# KiCad board Prak's keyboard.kicad_pcb
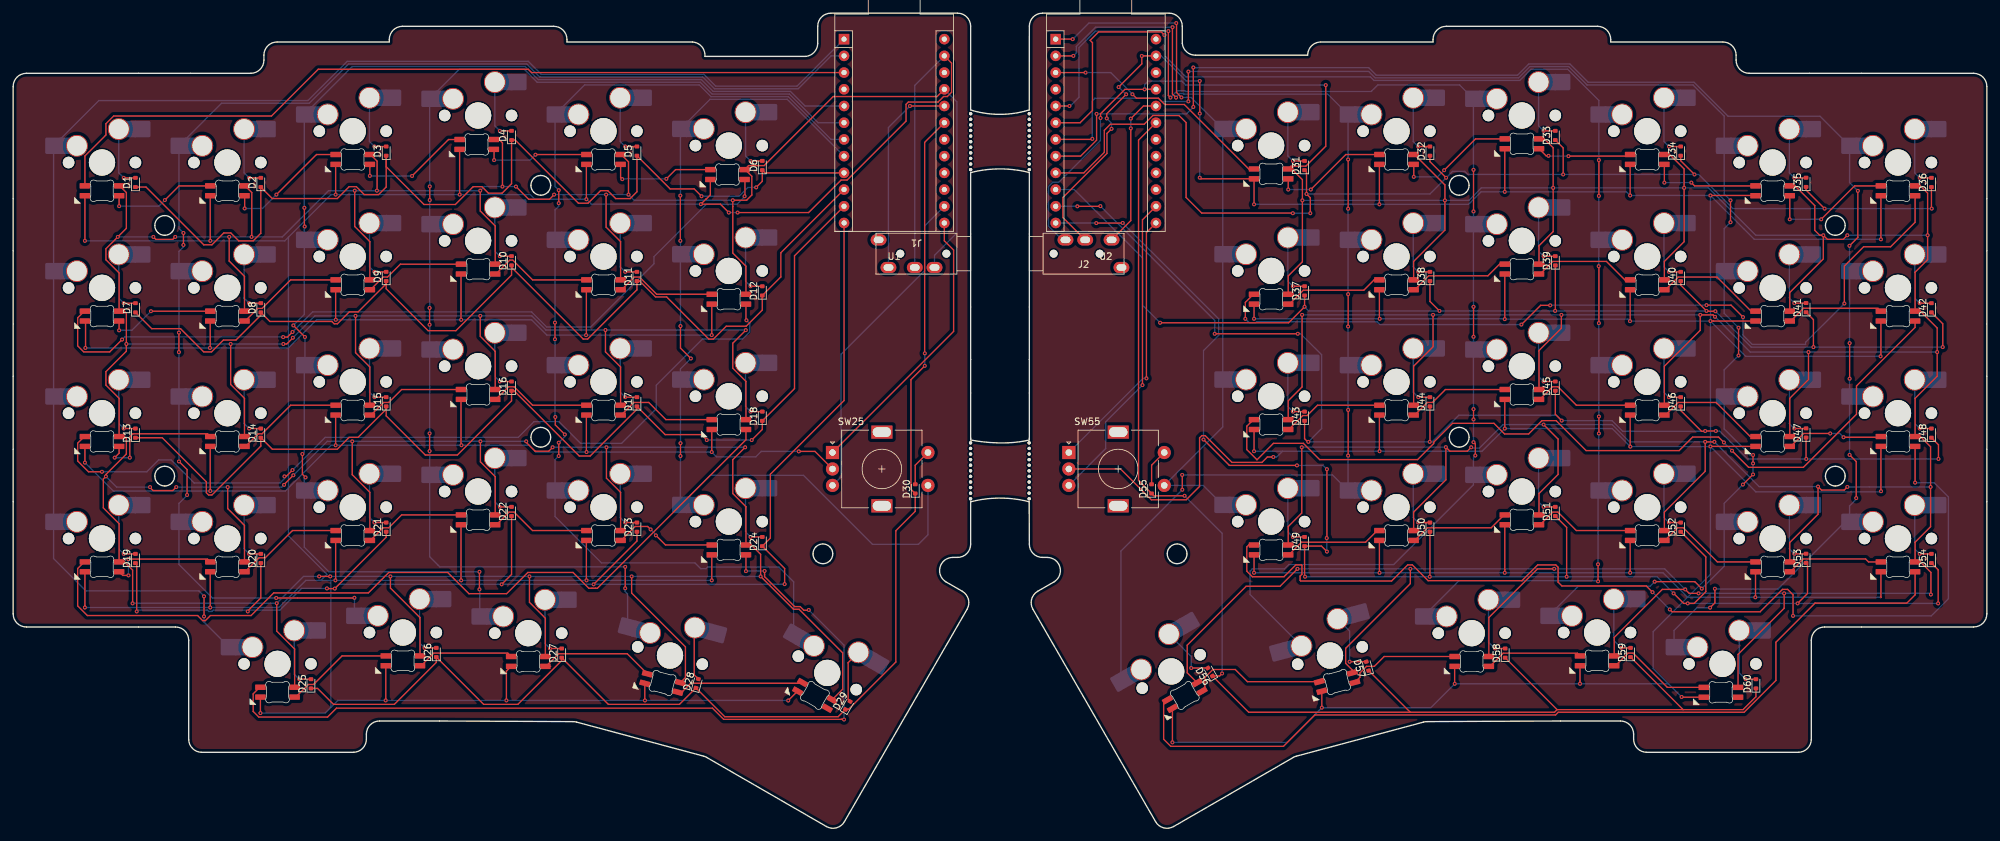
[diagram p0: board, top side]
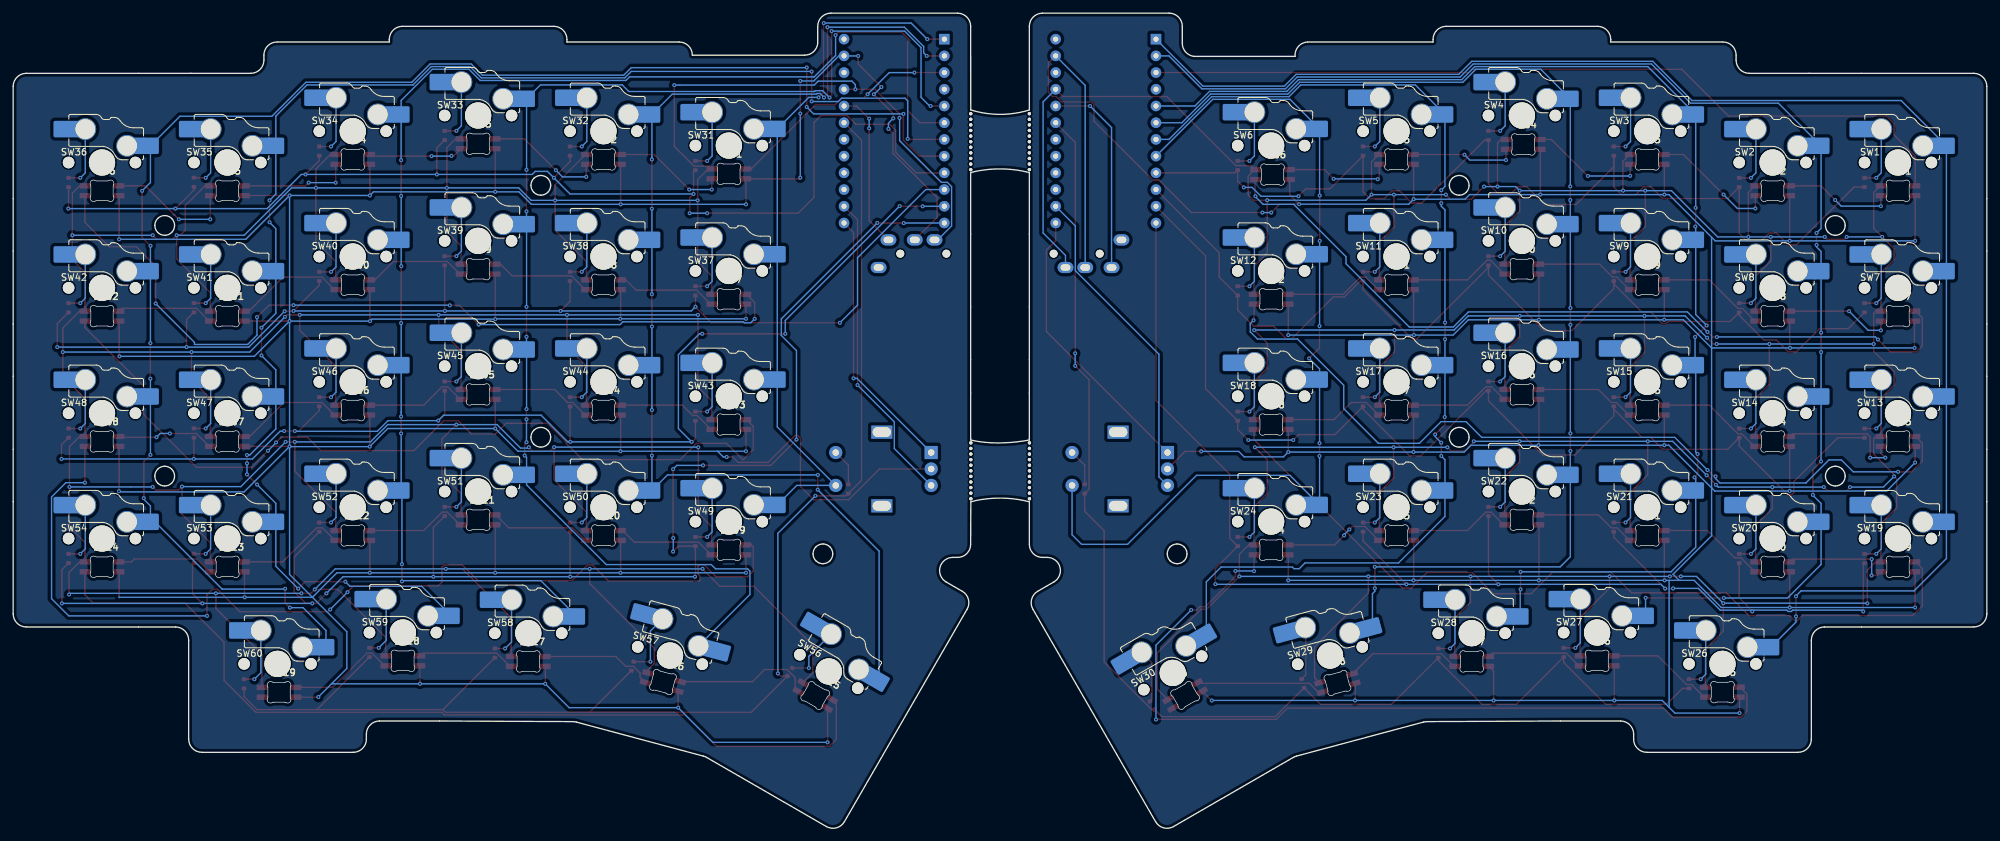
[diagram p1: board, bottom side, seen from below]

Outline 299.9 x 123.89 mm; copper layers: Top, Bottom. Coordinates in mm from the lower left corner of the outline.
Outline path: 145.49,109.18 145.49,121.89 arc(144.91,123.3) 143.49,123.89 124.25,123.89 arc(122.84,123.3) 122.25,121.89 122.25,119.31 arc(121.73,117.96) 120.44,117.32 105.11,117.32 arc(104.63,118.82) 103.2,119.51 84.15,119.51 84.15,119.89 arc(83.56,121.3) 82.15,121.89 59.15,121.89 arc(57.74,121.3) 57.15,119.89 57.15,119.51 40.1,119.51 arc(38.69,118.92) 38.1,117.51 38.1,116.75 arc(37.51,115.33) 36.1,114.75 2,114.75 arc(0.59,114.16) 0,112.75 0,32.6 arc(0.59,31.18) 2,30.6 24.67,30.6 arc(26.08,30.01) 26.67,28.6 26.67,13.53 arc(27.26,12.13) 28.67,11.55 51.67,11.55 arc(53.08,12.13) 53.67,13.55 53.67,14.31 arc(54.26,15.72) 55.67,16.31 64.77,16.31 85.07,16.21 arc(85.33,16.2) 85.59,16.15 104.9,10.97 arc(105.14,10.89) 105.38,10.77 123.57,0.27 arc(125.09,0.07) 126.3,1 144.95,33.29 arc(145.15,34.81) 144.22,36.02 141.77,37.44 arc(140.84,39.69) 142.77,41.17 143.49,41.17 arc(144.91,41.75) 145.49,43.17 145.49,49.62 ; 145.49,99.66 145.49,59.02 ; 154.39,109.18 154.41,121.89 arc(154.99,123.3) 156.41,123.89 175.65,123.89 arc(177.06,123.3) 177.65,121.89 177.65,119.31 arc(178.3,118.02) 179.65,117.5 196.7,117.5 ; 154.41,99.66 154.41,59.02 ; 154.41,43.16 154.38,49.62 ; 154.41,43.17 arc(154.99,41.75) 156.41,41.17 157.13,41.17 arc(159.06,39.69) 158.13,37.44 155.68,36.02 arc(154.75,34.81) 154.95,33.29 173.6,1 arc(174.81,0.07) 176.33,0.27 194.52,10.77 arc(194.76,10.89) 195.01,10.97 214.31,16.15 arc(214.57,16.2) 214.83,16.21 235.13,16.31 244.23,16.31 arc(245.65,15.72) 246.23,14.29 246.23,13.53 arc(246.82,12.13) 248.23,11.55 271.23,11.55 arc(272.64,12.13) 273.23,13.55 273.23,28.6 arc(273.82,30.01) 275.23,30.6 297.9,30.6 arc(299.31,31.18) 299.9,32.6 299.9,112.76 arc(299.31,114.17) 297.9,114.75 263.8,114.75 arc(262.38,115.34) 261.8,116.76 261.8,117.52 arc(261.21,118.93) 259.8,119.51 242.75,119.51 242.75,119.89 arc(242.16,121.3) 240.75,121.89 217.75,121.89 arc(216.34,121.3) 215.75,119.89 215.75,119.51 198.7,119.51 arc(197.29,118.92) 196.7,117.51 ; 21.53,91.63 arc(21.64,92.2) 21.96,92.69 arc(22.45,93.01) 23.03,93.13 arc(23.6,93.01) 24.09,92.69 arc(24.41,92.2) 24.53,91.63 arc(24.41,91.05) 24.09,90.57 arc(23.6,90.24) 23.03,90.13 arc(22.45,90.24) 21.96,90.57 arc(21.64,91.05) 21.53,91.63 ; 21.53,53.53 arc(21.64,54.1) 21.96,54.59 arc(22.45,54.91) 23.03,55.03 arc(23.6,54.91) 24.09,54.59 arc(24.41,54.1) 24.53,53.53 arc(24.41,52.95) 24.09,52.47 arc(23.6,52.14) 23.03,52.03 arc(22.45,52.14) 21.96,52.47 arc(21.64,52.95) 21.53,53.53 ; 78.68,97.72 arc(78.79,98.3) 79.11,98.78 arc(79.6,99.11) 80.18,99.22 arc(80.75,99.11) 81.24,98.78 arc(81.56,98.3) 81.68,97.72 arc(81.56,97.15) 81.24,96.66 arc(80.75,96.34) 80.18,96.22 arc(79.6,96.34) 79.11,96.66 arc(78.79,97.15) 78.68,97.72 ; 78.68,59.43 arc(78.79,60.01) 79.11,60.49 arc(79.6,60.82) 80.18,60.93 arc(80.75,60.82) 81.24,60.49 arc(81.56,60.01) 81.68,59.43 arc(81.56,58.86) 81.24,58.37 arc(80.75,58.05) 80.18,57.93 arc(79.6,58.05) 79.11,58.37 arc(78.79,58.86) 78.68,59.43 ; 121.54,41.72 arc(121.65,42.29) 121.98,42.78 arc(122.46,43.1) 123.04,43.22 arc(123.61,43.1) 124.1,42.78 arc(124.42,42.29) 124.54,41.72 arc(124.42,41.14) 124.1,40.65 arc(123.61,40.33) 123.04,40.22 arc(122.46,40.33) 121.98,40.65 arc(121.65,41.14) 121.54,41.72 ; 175.36,41.72 arc(175.48,42.29) 175.8,42.78 arc(176.29,43.1) 176.86,43.22 arc(177.44,43.1) 177.92,42.78 arc(178.25,42.29) 178.36,41.72 arc(178.25,41.14) 177.92,40.65 arc(177.44,40.33) 176.86,40.22 arc(176.29,40.33) 175.8,40.65 arc(175.48,41.14) 175.36,41.72 ; 218.23,97.72 arc(218.34,98.3) 218.66,98.78 arc(219.15,99.11) 219.73,99.22 arc(220.3,99.11) 220.79,98.78 arc(221.11,98.3) 221.23,97.72 arc(221.11,97.15) 220.79,96.66 arc(220.3,96.34) 219.73,96.22 arc(219.15,96.34) 218.66,96.66 arc(218.34,97.15) 218.23,97.72 ; 218.23,59.43 arc(218.34,60.01) 218.66,60.49 arc(219.15,60.82) 219.73,60.93 arc(220.3,60.82) 220.79,60.49 arc(221.11,60.01) 221.23,59.43 arc(221.11,58.86) 220.79,58.37 arc(220.3,58.05) 219.73,57.93 arc(219.15,58.05) 218.66,58.37 arc(218.34,58.86) 218.23,59.43 ; 275.38,91.63 arc(275.49,92.2) 275.81,92.69 arc(276.3,93.01) 276.88,93.13 arc(277.45,93.01) 277.94,92.69 arc(278.26,92.2) 278.38,91.63 arc(278.26,91.05) 277.94,90.57 arc(277.45,90.24) 276.88,90.13 arc(276.3,90.24) 275.81,90.57 arc(275.49,91.05) 275.38,91.63 ; 275.38,53.53 arc(275.49,54.1) 275.81,54.59 arc(276.3,54.91) 276.88,55.03 arc(277.45,54.91) 277.94,54.59 arc(278.26,54.1) 278.38,53.53 arc(278.26,52.95) 277.94,52.47 arc(277.45,52.14) 276.88,52.03 arc(276.3,52.14) 275.81,52.47 arc(275.49,52.95) 275.38,53.53

## Placement (name value [footprint] x y rotation side)
D1  1N4148WT  [D_SOD-523]  18.58 98.16 90 top
D2  1N4148WT  [D_SOD-523]  37.63 98.16 90 top
D3  1N4148WT  [D_SOD-523]  56.68 102.92 90 top
D4  1N4148WT  [D_SOD-523]  75.73 105.31 90 top
D5  1N4148WT  [D_SOD-523]  94.78 102.92 90 top
D6  1N4148WT  [D_SOD-523]  113.83 100.73 90 top
D7  1N4148WT  [D_SOD-523]  18.58 79.11 90 top
D8  1N4148WT  [D_SOD-523]  37.63 79.11 90 top
D9  1N4148WT  [D_SOD-523]  56.68 83.87 90 top
D10  1N4148WT  [D_SOD-523]  75.73 86.26 90 top
D11  1N4148WT  [D_SOD-523]  94.78 83.87 90 top
D12  1N4148WT  [D_SOD-523]  113.83 81.68 90 top
D13  1N4148WT  [D_SOD-523]  18.58 60.06 90 top
D14  1N4148WT  [D_SOD-523]  37.63 60.06 90 top
D15  1N4148WT  [D_SOD-523]  56.68 64.82 90 top
D16  1N4148WT  [D_SOD-523]  75.73 67.21 90 top
D17  1N4148WT  [D_SOD-523]  94.78 64.82 90 top
D18  1N4148WT  [D_SOD-523]  113.83 62.63 90 top
D19  1N4148WT  [D_SOD-523]  18.58 41.01 90 top
D20  1N4148WT  [D_SOD-523]  37.63 41.01 90 top
D21  1N4148WT  [D_SOD-523]  56.68 45.77 90 top
D22  1N4148WT  [D_SOD-523]  75.73 48.16 90 top
D23  1N4148WT  [D_SOD-523]  94.78 45.77 90 top
D24  1N4148WT  [D_SOD-523]  113.83 43.58 90 top
D25  1N4148WT  [D_SOD-523]  45.25 21.96 90 top
D26  1N4148WT  [D_SOD-523]  64.3 26.72 90 top
D27  1N4148WT  [D_SOD-523]  83.35 26.63 90 top
D28  1N4148WT  [D_SOD-523]  103.93 22.02 75 top
D29  1N4148WT  [D_SOD-523]  126.82 18.68 60 top
D30  1N4148WT  [D_SOD-523]  137.07 51.58 90 top
D31  1N4148WT  [D_SOD-523]  196.23 100.73 90 top
D32  1N4148WT  [D_SOD-523]  215.28 102.92 90 top
D33  1N4148WT  [D_SOD-523]  234.33 105.31 90 top
D34  1N4148WT  [D_SOD-523]  253.38 102.92 90 top
D35  1N4148WT  [D_SOD-523]  272.43 98.19 90 top
D36  1N4148WT  [D_SOD-523]  291.48 98.16 90 top
D37  1N4148WT  [D_SOD-523]  196.23 81.68 90 top
D38  1N4148WT  [D_SOD-523]  215.28 83.87 90 top
D39  1N4148WT  [D_SOD-523]  234.33 86.26 90 top
D40  1N4148WT  [D_SOD-523]  253.38 83.87 90 top
D41  1N4148WT  [D_SOD-523]  272.43 79.14 90 top
D42  1N4148WT  [D_SOD-523]  291.48 79.11 90 top
D43  1N4148WT  [D_SOD-523]  196.23 62.63 90 top
D44  1N4148WT  [D_SOD-523]  215.28 64.82 90 top
D45  1N4148WT  [D_SOD-523]  234.33 67.21 90 top
D46  1N4148WT  [D_SOD-523]  253.38 64.82 90 top
D47  1N4148WT  [D_SOD-523]  272.43 60.09 90 top
D48  1N4148WT  [D_SOD-523]  291.48 60.06 90 top
D49  1N4148WT  [D_SOD-523]  196.23 43.58 90 top
D50  1N4148WT  [D_SOD-523]  215.28 45.77 90 top
D51  1N4148WT  [D_SOD-523]  234.33 48.16 90 top
D52  1N4148WT  [D_SOD-523]  253.38 45.77 90 top
D53  1N4148WT  [D_SOD-523]  272.43 41.04 90 top
D54  1N4148WT  [D_SOD-523]  291.48 41.01 90 top
D55  1N4148WT  [D_SOD-523]  172.99 51.58 90 top
D56  1N4148WT  [D_SOD-523]  181.88 23.76 120 top
D57  1N4148WT  [D_SOD-523]  205.78 24.65 105 top
D58  1N4148WT  [D_SOD-523]  226.71 26.63 90 top
D59  1N4148WT  [D_SOD-523]  245.76 26.72 90 top
D60  1N4148WT  [D_SOD-523]  264.81 21.96 90 top
D61  SK6812MINI-E  [SK6812MINI-E_fixed]  13.5 96.79 180 bottom
D62  SK6812MINI-E  [SK6812MINI-E_fixed]  32.55 96.79 180 bottom
D63  SK6812MINI-E  [SK6812MINI-E_fixed]  51.6 101.55 180 bottom
D64  SK6812MINI-E  [SK6812MINI-E_fixed]  70.44 103.83 180 bottom
D65  SK6812MINI-E  [SK6812MINI-E_fixed]  89.7 101.55 180 bottom
D66  SK6812MINI-E  [SK6812MINI-E_fixed]  108.54 99.26 180 bottom
D67  SK6812MINI-E  [SK6812MINI-E_fixed]  13.5 77.74 180 bottom
D68  SK6812MINI-E  [SK6812MINI-E_fixed]  32.55 77.74 180 bottom
D69  SK6812MINI-E  [SK6812MINI-E_fixed]  51.6 82.5 180 bottom
D70  SK6812MINI-E  [SK6812MINI-E_fixed]  70.65 84.89 180 bottom
D71  SK6812MINI-E  [SK6812MINI-E_fixed]  89.7 82.5 180 bottom
D72  SK6812MINI-E  [SK6812MINI-E_fixed]  108.75 80.31 180 bottom
D73  SK6812MINI-E  [SK6812MINI-E_fixed]  13.5 58.69 180 bottom
D74  SK6812MINI-E  [SK6812MINI-E_fixed]  32.55 58.69 180 bottom
D75  SK6812MINI-E  [SK6812MINI-E_fixed]  51.6 63.45 180 bottom
D76  SK6812MINI-E  [SK6812MINI-E_fixed]  70.65 65.84 180 bottom
D77  SK6812MINI-E  [SK6812MINI-E_fixed]  89.7 63.45 180 bottom
D78  SK6812MINI-E  [SK6812MINI-E_fixed]  108.75 61.26 180 bottom
D79  SK6812MINI-E  [SK6812MINI-E_fixed]  13.5 39.64 180 bottom
D80  SK6812MINI-E  [SK6812MINI-E_fixed]  32.55 39.64 180 bottom
D81  SK6812MINI-E  [SK6812MINI-E_fixed]  51.6 44.4 180 bottom
D82  SK6812MINI-E  [SK6812MINI-E_fixed]  70.65 46.79 180 bottom
D83  SK6812MINI-E  [SK6812MINI-E_fixed]  89.7 44.4 180 bottom
D84  SK6812MINI-E  [SK6812MINI-E_fixed]  108.75 42.21 180 bottom
D85  SK6812MINI-E  [SK6812MINI-E_fixed]  40.17 20.59 180 bottom
D86  SK6812MINI-E  [SK6812MINI-E_fixed]  59.22 25.35 180 bottom
D87  SK6812MINI-E  [SK6812MINI-E_fixed]  78.27 25.26 180 bottom
D88  SK6812MINI-E  [SK6812MINI-E_fixed]  98.65 21.99 165 bottom
D89  SK6812MINI-E  [SK6812MINI-E_fixed]  121.78 20.11 150 bottom
D91  SK6812MINI-E  [SK6812MINI-E_fixed]  191.15 99.36 180 bottom
D92  SK6812MINI-E  [SK6812MINI-E_fixed]  210.2 101.55 180 bottom
D93  SK6812MINI-E  [SK6812MINI-E_fixed]  229.25 103.94 180 bottom
D94  SK6812MINI-E  [SK6812MINI-E_fixed]  248.3 101.55 180 bottom
D95  SK6812MINI-E  [SK6812MINI-E_fixed]  267.35 96.79 180 bottom
D96  SK6812MINI-E  [SK6812MINI-E_fixed]  286.4 96.79 180 bottom
D97  SK6812MINI-E  [SK6812MINI-E_fixed]  191.15 80.31 180 bottom
D98  SK6812MINI-E  [SK6812MINI-E_fixed]  210.2 82.5 180 bottom
D99  SK6812MINI-E  [SK6812MINI-E_fixed]  229.25 84.89 180 bottom
D100  SK6812MINI-E  [SK6812MINI-E_fixed]  248.3 82.5 180 bottom
D101  SK6812MINI-E  [SK6812MINI-E_fixed]  267.35 77.74 180 bottom
D102  SK6812MINI-E  [SK6812MINI-E_fixed]  286.4 77.74 180 bottom
D103  SK6812MINI-E  [SK6812MINI-E_fixed]  191.15 61.26 180 bottom
D104  SK6812MINI-E  [SK6812MINI-E_fixed]  210.2 63.45 180 bottom
D105  SK6812MINI-E  [SK6812MINI-E_fixed]  229.25 65.84 180 bottom
D106  SK6812MINI-E  [SK6812MINI-E_fixed]  248.3 63.45 180 bottom
D107  SK6812MINI-E  [SK6812MINI-E_fixed]  267.35 58.69 180 bottom
D108  SK6812MINI-E  [SK6812MINI-E_fixed]  286.4 58.69 180 bottom
D109  SK6812MINI-E  [SK6812MINI-E_fixed]  191.15 42.21 180 bottom
D110  SK6812MINI-E  [SK6812MINI-E_fixed]  210.2 44.4 180 bottom
D111  SK6812MINI-E  [SK6812MINI-E_fixed]  229.25 46.79 180 bottom
D112  SK6812MINI-E  [SK6812MINI-E_fixed]  248.3 44.4 180 bottom
D113  SK6812MINI-E  [SK6812MINI-E_fixed]  267.35 39.64 180 bottom
D114  SK6812MINI-E  [SK6812MINI-E_fixed]  286.4 39.64 180 bottom
D115  SK6812MINI-E  [SK6812MINI-E_fixed]  178.08 20.1 210 bottom
D116  SK6812MINI-E  [SK6812MINI-E_fixed]  201.19 22.13 195 bottom
D117  SK6812MINI-E  [SK6812MINI-E_fixed]  221.63 25.26 180 bottom
D118  SK6812MINI-E  [SK6812MINI-E_fixed]  240.68 25.35 180 bottom
D119  SK6812MINI-E  [SK6812MINI-E_fixed]  259.5 20.57 180 bottom
J1  AudioPlug4  [CON_MJ-4PP-9]  137.25 87.34 180 top
J2  AudioPlug4  [CON_MJ-4PP-9]  162.65 87.34 0 top
REF**  -  [BreakLine_11h_D0.5mm_P0.85mm]  145.48 54.34 90 top  (not fitted)
REF**#2  -  [BreakLine_11h_D0.5mm_P0.85mm]  154.38 54.34 90 top  (not fitted)
REF**#3  -  [BreakLine_11h_D0.5mm_P0.85mm]  154.4 104.36 90 top  (not fitted)
REF**#4  -  [BreakLine_11h_D0.5mm_P0.85mm]  145.49 104.36 90 top  (not fitted)
SW1  SW_Push_45deg  [SW_MX_HS_KS-2P02B01-01_1u]  13.5 101.19 180 bottom
SW2  SW_Push_45deg  [SW_MX_HS_KS-2P02B01-01_1u]  32.55 101.19 180 bottom
SW3  SW_Push_45deg  [SW_MX_HS_KS-2P02B01-01_1u]  51.6 105.95 180 bottom
SW4  SW_Push_45deg  [SW_MX_HS_KS-2P02B01-01_1u]  70.65 108.34 180 bottom
SW5  SW_Push_45deg  [SW_MX_HS_KS-2P02B01-01_1u]  89.7 105.95 180 bottom
SW6  SW_Push_45deg  [SW_MX_HS_KS-2P02B01-01_1u]  108.75 103.76 180 bottom
SW7  SW_Push_45deg  [SW_MX_HS_KS-2P02B01-01_1u]  13.5 82.14 180 bottom
SW8  SW_Push_45deg  [SW_MX_HS_KS-2P02B01-01_1u]  32.55 82.14 180 bottom
SW9  SW_Push_45deg  [SW_MX_HS_KS-2P02B01-01_1u]  51.6 86.9 180 bottom
SW10  SW_Push_45deg  [SW_MX_HS_KS-2P02B01-01_1u]  70.65 89.29 180 bottom
SW11  SW_Push_45deg  [SW_MX_HS_KS-2P02B01-01_1u]  89.7 86.9 180 bottom
SW12  SW_Push_45deg  [SW_MX_HS_KS-2P02B01-01_1u]  108.75 84.71 180 bottom
SW13  SW_Push_45deg  [SW_MX_HS_KS-2P02B01-01_1u]  13.5 63.09 180 bottom
SW14  SW_Push_45deg  [SW_MX_HS_KS-2P02B01-01_1u]  32.55 63.09 180 bottom
SW15  SW_Push_45deg  [SW_MX_HS_KS-2P02B01-01_1u]  51.6 67.85 180 bottom
SW16  SW_Push_45deg  [SW_MX_HS_KS-2P02B01-01_1u]  70.65 70.24 180 bottom
SW17  SW_Push_45deg  [SW_MX_HS_KS-2P02B01-01_1u]  89.7 67.85 180 bottom
SW18  SW_Push_45deg  [SW_MX_HS_KS-2P02B01-01_1u]  108.75 65.66 180 bottom
SW19  SW_Push_45deg  [SW_MX_HS_KS-2P02B01-01_1u]  13.5 44.04 180 bottom
SW20  SW_Push_45deg  [SW_MX_HS_KS-2P02B01-01_1u]  32.55 44.04 180 bottom
SW21  SW_Push_45deg  [SW_MX_HS_KS-2P02B01-01_1u]  51.6 48.8 180 bottom
SW22  SW_Push_45deg  [SW_MX_HS_KS-2P02B01-01_1u]  70.65 51.19 180 bottom
SW23  SW_Push_45deg  [SW_MX_HS_KS-2P02B01-01_1u]  89.7 48.8 180 bottom
SW24  SW_Push_45deg  [SW_MX_HS_KS-2P02B01-01_1u]  108.75 46.61 180 bottom
SW25  RotaryEncoder_Switch  [RotaryEncoder_Alps_EC11E-Switch_Vertical_H20mm]  124.5 57.11 0 top
SW26  SW_Push_45deg  [SW_MX_HS_KS-2P02B01-01_1u]  40.17 24.99 180 bottom
SW27  SW_Push_45deg  [SW_MX_HS_KS-2P02B01-01_1u]  59.22 29.75 180 bottom
SW28  SW_Push_45deg  [SW_MX_HS_KS-2P02B01-01_1u]  78.27 29.66 180 bottom
SW29  SW_Push_45deg  [SW_MX_HS_KS-2P02B01-01_1u]  99.81 26.26 165 bottom
SW30  SW_Push_45deg  [SW_MX_HS_KS-2P02B01-01_1u]  123.7 23.62 150 bottom
SW31  SW_Push_45deg  [SW_MX_HS_KS-2P02B01-01_1u]  191.15 103.76 180 bottom
SW32  SW_Push_45deg  [SW_MX_HS_KS-2P02B01-01_1u]  210.2 105.95 180 bottom
SW33  SW_Push_45deg  [SW_MX_HS_KS-2P02B01-01_1u]  229.25 108.34 180 bottom
SW34  SW_Push_45deg  [SW_MX_HS_KS-2P02B01-01_1u]  248.3 105.95 180 bottom
SW35  SW_Push_45deg  [SW_MX_HS_KS-2P02B01-01_1u]  267.35 101.19 180 bottom
SW36  SW_Push_45deg  [SW_MX_HS_KS-2P02B01-01_1u]  286.4 101.19 180 bottom
SW37  SW_Push_45deg  [SW_MX_HS_KS-2P02B01-01_1u]  191.15 84.71 180 bottom
SW38  SW_Push_45deg  [SW_MX_HS_KS-2P02B01-01_1u]  210.2 86.9 180 bottom
SW39  SW_Push_45deg  [SW_MX_HS_KS-2P02B01-01_1u]  229.25 89.29 180 bottom
SW40  SW_Push_45deg  [SW_MX_HS_KS-2P02B01-01_1u]  248.3 86.9 180 bottom
SW41  SW_Push_45deg  [SW_MX_HS_KS-2P02B01-01_1u]  267.35 82.14 180 bottom
SW42  SW_Push_45deg  [SW_MX_HS_KS-2P02B01-01_1u]  286.4 82.14 180 bottom
SW43  SW_Push_45deg  [SW_MX_HS_KS-2P02B01-01_1u]  191.15 65.66 180 bottom
SW44  SW_Push_45deg  [SW_MX_HS_KS-2P02B01-01_1u]  210.2 67.85 180 bottom
SW45  SW_Push_45deg  [SW_MX_HS_KS-2P02B01-01_1u]  229.25 70.24 180 bottom
SW46  SW_Push_45deg  [SW_MX_HS_KS-2P02B01-01_1u]  248.3 67.85 180 bottom
SW47  SW_Push_45deg  [SW_MX_HS_KS-2P02B01-01_1u]  267.35 63.09 180 bottom
SW48  SW_Push_45deg  [SW_MX_HS_KS-2P02B01-01_1u]  286.4 63.09 180 bottom
SW49  SW_Push_45deg  [SW_MX_HS_KS-2P02B01-01_1u]  191.15 46.61 180 bottom
SW50  SW_Push_45deg  [SW_MX_HS_KS-2P02B01-01_1u]  210.2 48.8 180 bottom
SW51  SW_Push_45deg  [SW_MX_HS_KS-2P02B01-01_1u]  229.25 51.19 180 bottom
SW52  SW_Push_45deg  [SW_MX_HS_KS-2P02B01-01_1u]  248.3 48.8 180 bottom
SW53  SW_Push_45deg  [SW_MX_HS_KS-2P02B01-01_1u]  267.35 44.04 180 bottom
SW54  SW_Push_45deg  [SW_MX_HS_KS-2P02B01-01_1u]  286.4 44.04 180 bottom
SW55  RotaryEncoder_Switch  [RotaryEncoder_Alps_EC11E-Switch_Vertical_H20mm]  160.41 57.11 0 top
SW56  SW_Push_45deg  [SW_MX_HS_KS-2P02B01-01_1u]  175.96 23.84 210 bottom
SW57  SW_Push_45deg  [SW_MX_HS_KS-2P02B01-01_1u]  200.09 26.26 195 bottom
SW58  SW_Push_45deg  [SW_MX_HS_KS-2P02B01-01_1u]  221.63 29.66 180 bottom
SW59  SW_Push_45deg  [SW_MX_HS_KS-2P02B01-01_1u]  240.68 29.75 180 bottom
SW60  SW_Push_45deg  [SW_MX_HS_KS-2P02B01-01_1u]  259.73 24.99 180 bottom
U1  -  [Sparkfun_Pro_Micro]  141.49 92 180 top
U2  -  [Sparkfun_Pro_Micro]  173.65 92 180 top

## Library data of the parts
D1-D60 = -: Datasheet: https://www.diodes.com/assets/Datasheets/ds30396.pdf; Description: 75V 0.15A Fast switching Diode, SOD-523; Sim.Device: D; Sim.Pins: 1=K 2=A; ki_fp_filters: D*SOD?523*
D61-D89 D91-D119 = -: Datasheet: https://cdn-shop.adafruit.com/product-files/4960/4960_SK6812MINI-E_REV02_EN.pdf; Description: RGB LED with integrated controller; ki_fp_filters: LED*SK6812MINI*PLCC*3.5x3.5mm*P1.75mm*
J1 J2 = -: Description: Audio Jack, 4 Poles (Stereo / TRRS); ki_fp_filters: Plug*
SW1-SW24 SW26-SW54 SW56-SW60 = -: Description: Push button switch, normally open, two pins, 45° tilted
SW25 SW55 = -: Description: Rotary encoder, dual channel, incremental quadrate outputs, with switch; ki_fp_filters: RotaryEncoder*Switch*
U1 U2 = -: Datasheet: https://www.sparkfun.com/products/12640; Description: Sparkfun Pro Micro

## Footprints (pads in the part's own frame, mm; a bottom-side part is the same pattern mirrored in y, then rotated)
BreakLine_11h_D0.5mm_P0.85mm
  round 0.5 hole 0.5 unplated: (-4.25,0) (-3.4,0) (-2.55,0) (-1.7,0) (-0.85,0) (0,0) (0.85,0) (1.7,0) (2.55,0) (3.4,0) (4.25,0)
CON_MJ-4PP-9
  round 1.2 hole 1.2 unplated: (-4.55,0) (2.45,0)
  oval 2.4x1.7 hole 1.5x1: R1(4.25,2.1) R2(0.25,2.1) S(-2.75,2.1) T(5.75,-2.1)
D_SOD-523
  rrect 0.6x0.7 smd: 1(-0.7,0) 2(0.7,0)
RotaryEncoder_Alps_EC11E-Switch_Vertical_H20mm
  rect 2x2 hole 1: A(0,0)
  round 2 hole 1: B(0,-5) C(0,-2.5) S1(14.5,-5) S2(14.5,0)
  rect 3.2x2 hole 2.8x1.5: MP(7.5,3.1) MP(7.5,-8.1)
SK6812MINI-E_fixed
  rrect 1.6x0.82 smd far side: 1(-2.6,0.853) 2(-2.6,-0.647) 3(2.6,-0.647) 4(2.6,0.853)
Sparkfun_Pro_Micro
  rect 1.6x1.6 hole 0.8: 1(15.24,-27.94)
  oval 1.6x1.6 hole 0.8: 2(15.24,-25.4) 3(15.24,-22.86) 4(15.24,-20.32) 5(15.24,-17.78) 6(15.24,-15.24) 7(15.24,-12.7) 8(15.24,-10.16) 9(15.24,-7.62) 10(15.24,-5.08) 11(15.24,-2.54) 12(15.24,0) 13(0,0) 14(0,-2.54) 15(0,-5.08) 16(0,-7.62) 17(0,-10.16) 18(0,-12.7) 19(0,-15.24) 20(0,-17.78) 21(0,-20.32) 22(0,-22.86) 23(0,-25.4) 24(0,-27.94)
SW_MX_HS_KS-2P02B01-01_1u
  round 1.75 hole 1.75 unplated: (-5.08,0) (5.08,0)
  round 3.988 hole 3.988 unplated: (0,0)
  round 3.3 hole 3: 1(3.81,2.54) 2(-2.54,5.08)
  rect 1.65x2.5 smd: 1(5.635,2.54) 2(-4.34,5.08)
  rrect 2.55x2.5 smd: 1(7.36,2.54) 2(-6.09,5.08)

## Nets
CKI: U1.4
Column 0: SW1.1 SW7.1 SW13.1 SW19.1 SW26.1 SW31.1 SW37.1 SW43.1 SW49.1 SW55.S1 U1.1 U2.1
Column 1: SW2.1 SW8.1 SW14.1 SW20.1 SW27.1 SW32.1 SW38.1 SW44.1 SW50.1 SW56.1 U1.2 U2.2
Column 2: SW3.1 SW9.1 SW15.1 SW21.1 SW28.1 SW33.1 SW39.1 SW45.1 SW51.1 SW57.1 U1.5 U2.5
Column 3: SW4.1 SW10.1 SW16.1 SW22.1 SW29.1 SW34.1 SW40.1 SW46.1 SW52.1 SW58.1 U1.6 U2.6
Column 4: SW5.1 SW11.1 SW17.1 SW23.1 SW30.1 SW35.1 SW41.1 SW47.1 SW53.1 SW59.1 U1.7 U2.7
Column 5: SW6.1 SW12.1 SW18.1 SW24.1 SW25.S1 SW36.1 SW42.1 SW48.1 SW54.1 SW60.1 U1.8 U2.8
Encoder Channel A: SW25.A SW55.A U1.13 U2.13
Encoder Channel B: SW25.B SW55.B U1.14 U2.14
Encoder Common Ground: D61.3 D62.3 D63.3 D64.3 D65.3 D66.3 D67.3 D68.3 D69.3 D70.3 D71.3 D72.3 D73.3 D74.3 D75.3 D76.3 D77.3 D78.3 D79.3 D80.3 D81.3 D82.3 D83.3 D84.3 D85.3 D86.3 D87.3 D88.3 D89.3 D91.3 D92.3 D93.3 D94.3 D95.3 D96.3 D97.3 D98.3 D99.3 D100.3 D101.3 D102.3 D103.3 D104.3 D105.3 D106.3 D107.3 D108.3 D109.3 D110.3 D111.3 D112.3 D113.3 D114.3 D115.3 D116.3 D117.3 D118.3 D119.3 J1.R2 J2.R2 SW25.C SW55.C U1.23 U2.23
Row 0: D1.1 D2.1 D3.1 D4.1 D5.1 D6.1 D31.1 D32.1 D33.1 D34.1 D35.1 D36.1 U1.9 U2.9
Row 1: D7.1 D8.1 D9.1 D10.1 D11.1 D12.1 D37.1 D38.1 D39.1 D40.1 D41.1 D42.1 U1.10 U2.10
Row 2: D13.1 D14.1 D15.1 D16.1 D17.1 D18.1 D43.1 D44.1 D45.1 D46.1 D47.1 D48.1 U1.11 U2.11
Row 3: D19.1 D20.1 D21.1 D22.1 D23.1 D24.1 D49.1 D50.1 D51.1 D52.1 D53.1 D54.1 U1.12 U2.12
Row 4: D25.1 D26.1 D27.1 D28.1 D29.1 D30.1 D55.1 D56.1 D57.1 D58.1 D59.1 D60.1 U1.19 U2.19
SDI: D61.4 D91.4 U1.3 U2.3
TRRS Power: D61.1 D62.1 D63.1 D64.1 D65.1 D66.1 D67.1 D68.1 D69.1 D70.1 D71.1 D72.1 D73.1 D74.1 D75.1 D76.1 D77.1 D78.1 D79.1 D80.1 D81.1 D82.1 D83.1 D84.1 D85.1 D86.1 D87.1 D88.1 D89.1 D91.1 D92.1 D93.1 D94.1 D95.1 D96.1 D97.1 D98.1 D99.1 D100.1 D101.1 D102.1 D103.1 D104.1 D105.1 D106.1 D107.1 D108.1 D109.1 D110.1 D111.1 D112.1 D113.1 D114.1 D115.1 D116.1 D117.1 D118.1 D119.1 J1.S J2.S U1.21 U2.21
TRRS Signal: J1.R1 J2.R1 U1.20 U2.20
Net-(D1-A): D1.2 SW1.2
Net-(D2-A): D2.2 SW2.2
Net-(D3-A): D3.2 SW3.2
Net-(D4-A): D4.2 SW4.2
Net-(D5-A): D5.2 SW5.2
Net-(D6-A): D6.2 SW6.2
Net-(D7-A): D7.2 SW7.2
Net-(D8-A): D8.2 SW8.2
Net-(D9-A): D9.2 SW9.2
Net-(D10-A): D10.2 SW10.2
Net-(D11-A): D11.2 SW11.2
Net-(D12-A): D12.2 SW12.2
Net-(D13-A): D13.2 SW13.2
Net-(D14-A): D14.2 SW14.2
Net-(D15-A): D15.2 SW15.2
Net-(D16-A): D16.2 SW16.2
Net-(D17-A): D17.2 SW17.2
Net-(D18-A): D18.2 SW18.2
Net-(D19-A): D19.2 SW19.2
Net-(D20-A): D20.2 SW20.2
Net-(D21-A): D21.2 SW21.2
Net-(D22-A): D22.2 SW22.2
Net-(D23-A): D23.2 SW23.2
Net-(D24-A): D24.2 SW24.2
Net-(D25-A): D25.2 SW26.2
Net-(D26-A): D26.2 SW27.2
Net-(D27-A): D27.2 SW28.2
Net-(D28-A): D28.2 SW29.2
Net-(D29-A): D29.2 SW30.2
Net-(D30-A): D30.2 SW25.S2
Net-(D31-A): D31.2 SW31.2
Net-(D32-A): D32.2 SW32.2
Net-(D33-A): D33.2 SW33.2
Net-(D34-A): D34.2 SW34.2
Net-(D35-A): D35.2 SW35.2
Net-(D36-A): D36.2 SW36.2
Net-(D37-A): D37.2 SW37.2
Net-(D38-A): D38.2 SW38.2
Net-(D39-A): D39.2 SW39.2
Net-(D40-A): D40.2 SW40.2
Net-(D41-A): D41.2 SW41.2
Net-(D42-A): D42.2 SW42.2
Net-(D43-A): D43.2 SW43.2
Net-(D44-A): D44.2 SW44.2
Net-(D45-A): D45.2 SW45.2
Net-(D46-A): D46.2 SW46.2
Net-(D47-A): D47.2 SW47.2
Net-(D48-A): D48.2 SW48.2
Net-(D49-A): D49.2 SW49.2
Net-(D50-A): D50.2 SW50.2
Net-(D51-A): D51.2 SW51.2
Net-(D52-A): D52.2 SW52.2
Net-(D53-A): D53.2 SW53.2
Net-(D54-A): D54.2 SW54.2
Net-(D55-A): D55.2 SW55.S2
Net-(D56-A): D56.2 SW56.2
Net-(D57-A): D57.2 SW57.2
Net-(D58-A): D58.2 SW58.2
Net-(D59-A): D59.2 SW59.2
Net-(D60-A): D60.2 SW60.2
Net-(D61-DOUT): D61.2 D62.4
Net-(D62-DOUT): D62.2 D63.4
Net-(D63-DOUT): D63.2 D64.4
Net-(D64-DOUT): D64.2 D65.4
Net-(D65-DOUT): D65.2 D66.4
Net-(D66-DOUT): D66.2 D67.4
Net-(D67-DOUT): D67.2 D68.4
Net-(D68-DOUT): D68.2 D69.4
Net-(D69-DOUT): D69.2 D70.4
Net-(D70-DOUT): D70.2 D71.4
Net-(D71-DOUT): D71.2 D72.4
Net-(D72-DOUT): D72.2 D73.4
Net-(D73-DOUT): D73.2 D74.4
Net-(D74-DOUT): D74.2 D75.4
Net-(D75-DOUT): D75.2 D76.4
Net-(D76-DOUT): D76.2 D77.4
Net-(D77-DOUT): D77.2 D78.4
Net-(D78-DOUT): D78.2 D79.4
Net-(D79-DOUT): D79.2 D80.4
Net-(D80-DOUT): D80.2 D81.4
Net-(D81-DOUT): D81.2 D82.4
Net-(D82-DOUT): D82.2 D83.4
Net-(D83-DOUT): D83.2 D84.4
Net-(D84-DOUT): D84.2 D85.4
Net-(D85-DOUT): D85.2 D86.4
Net-(D86-DOUT): D86.2 D87.4
Net-(D87-DOUT): D87.2 D88.4
Net-(D88-DOUT): D88.2 D89.4
Net-(D91-DOUT): D91.2 D92.4
Net-(D92-DOUT): D92.2 D93.4
Net-(D93-DOUT): D93.2 D94.4
Net-(D94-DOUT): D94.2 D95.4
Net-(D95-DOUT): D95.2 D96.4
Net-(D96-DOUT): D96.2 D97.4
Net-(D97-DOUT): D97.2 D98.4
Net-(D98-DOUT): D98.2 D99.4
Net-(D100-DIN): D99.2 D100.4
Net-(D100-DOUT): D100.2 D101.4
Net-(D101-DOUT): D101.2 D102.4
Net-(D102-DOUT): D102.2 D103.4
Net-(D103-DOUT): D103.2 D104.4
Net-(D104-DOUT): D104.2 D105.4
Net-(D105-DOUT): D105.2 D106.4
Net-(D106-DOUT): D106.2 D107.4
Net-(D107-DOUT): D107.2 D108.4
Net-(D108-DOUT): D108.2 D109.4
Net-(D109-DOUT): D109.2 D110.4
Net-(D110-DOUT): D110.2 D111.4
Net-(D111-DOUT): D111.2 D112.4
Net-(D112-DOUT): D112.2 D113.4
Net-(D113-DOUT): D113.2 D114.4
Net-(D114-DOUT): D114.2 D115.4
Net-(D115-DOUT): D115.2 D116.4
Net-(D116-DOUT): D116.2 D117.4
Net-(D117-DOUT): D117.2 D118.4
Net-(D118-DOUT): D118.2 D119.4

Pads without a net: D89 2; D119 2; J1 T; J2 T; SW25 MP; SW55 MP; U1 15 16 17 18 22 24; U2 4 15 16 17 18 22 24

## Via types
v1: diameter 0.6, hole 0.3, Top to Bottom, 415 vias
v2: diameter 0.3, hole 0.1, Top to Bottom, 1 via
